# EAGLE board Mk4 Final Panel 8up 2x4 (EAGLE 9.0.1), part 8 of 23 (continued)
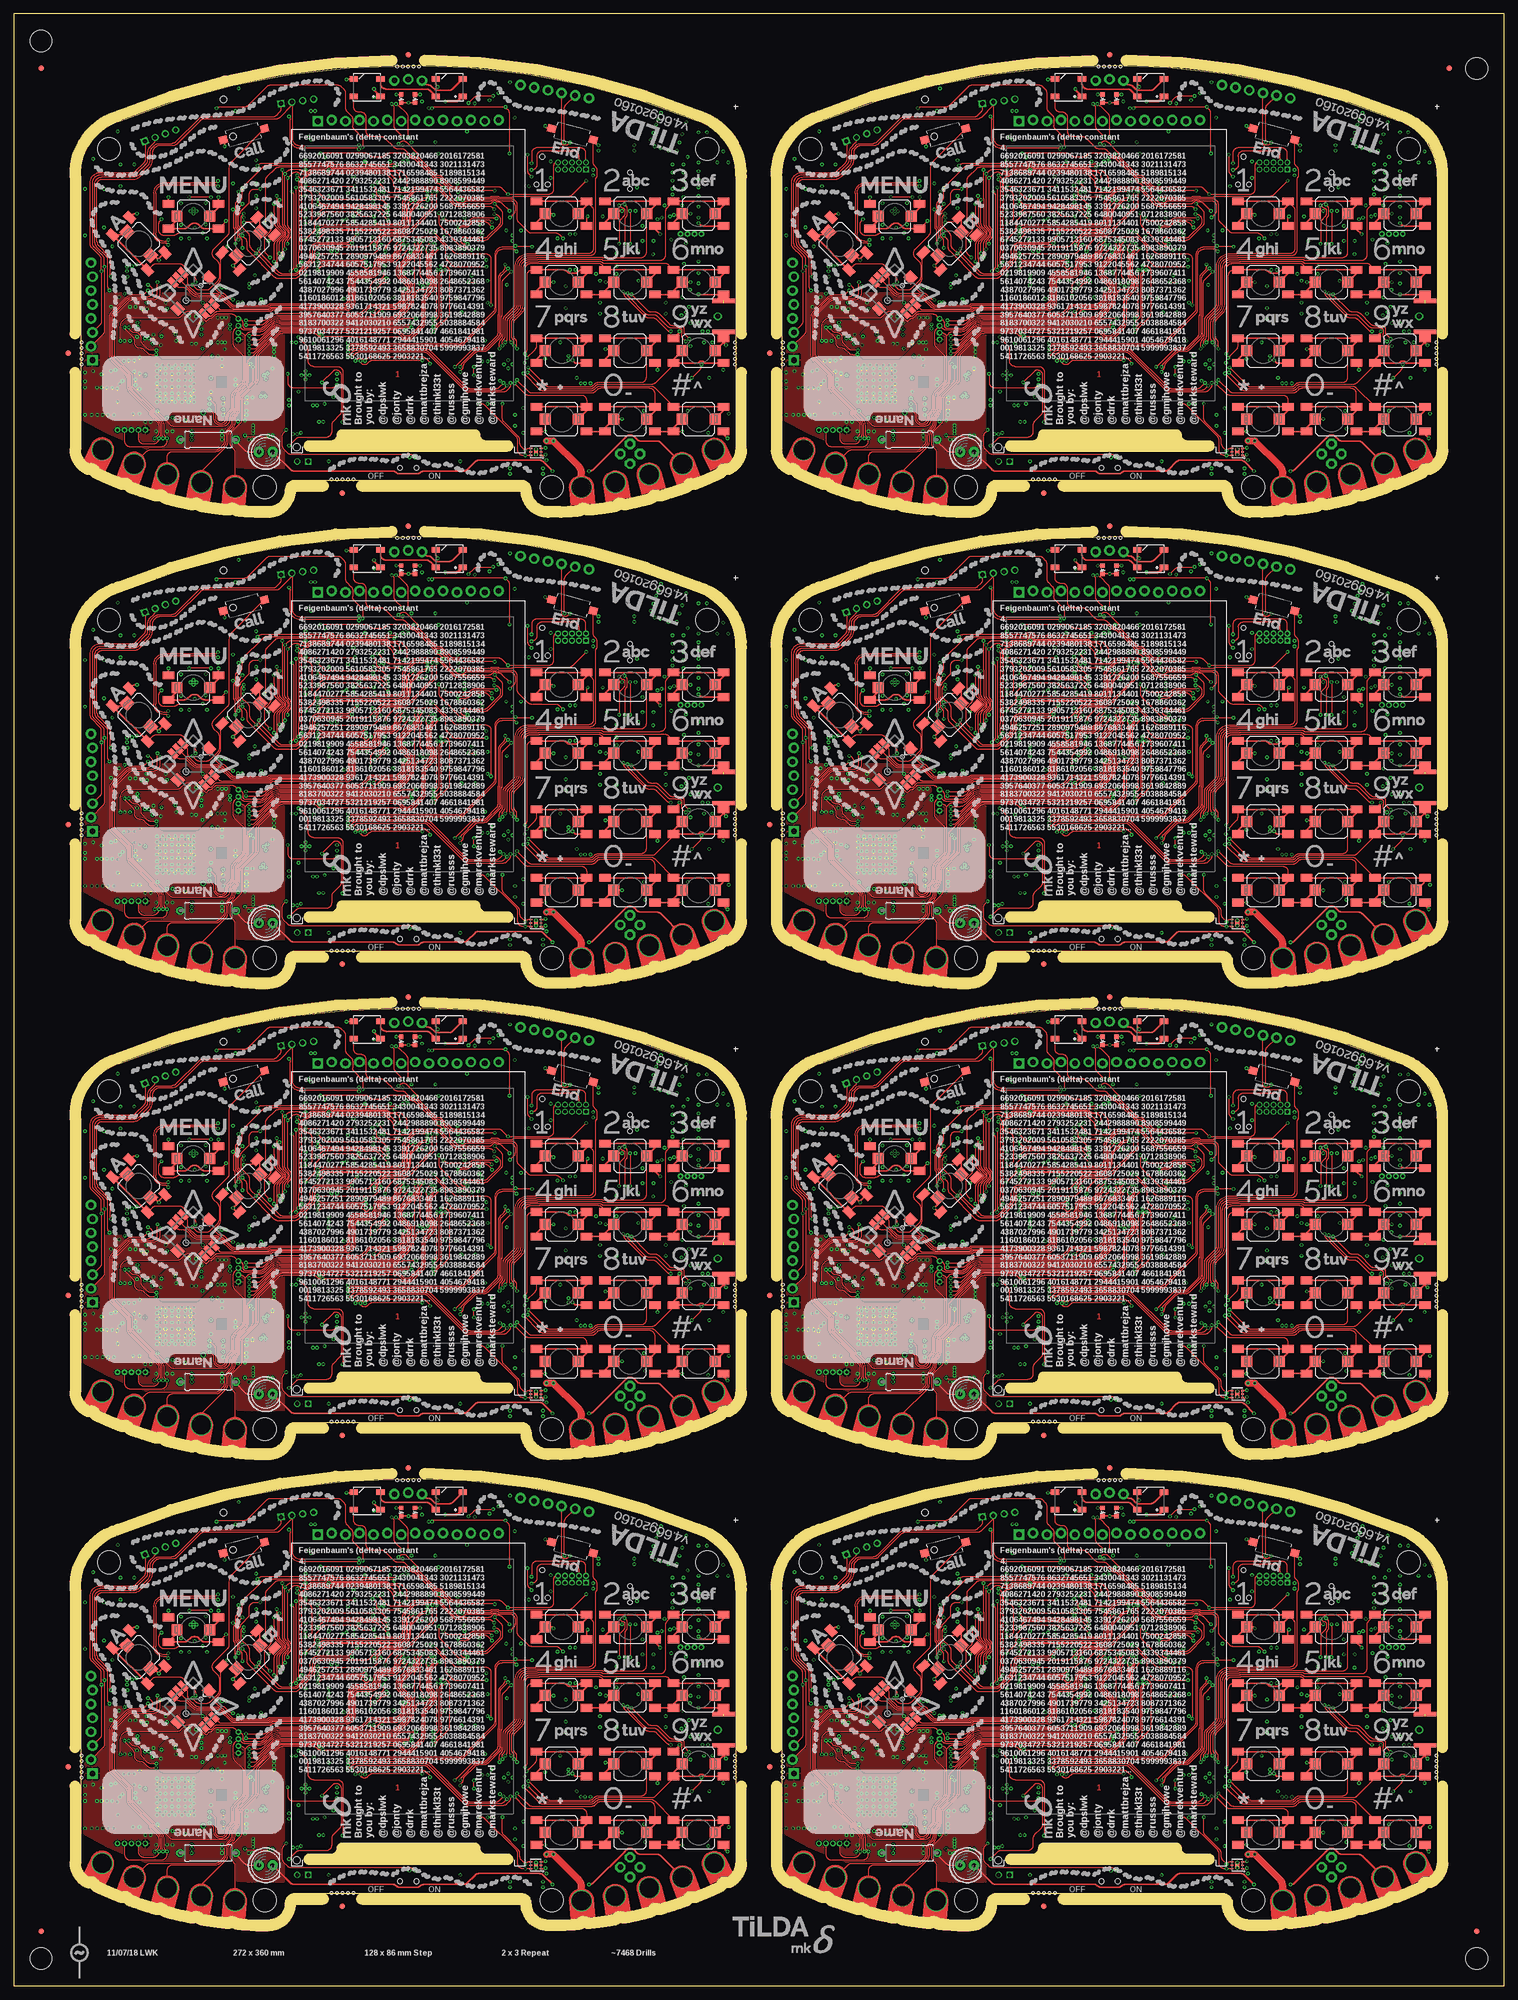
[diagram p0: board, top side]
## Tracks (layer width: path | path; a pad name or v marks a point on that pad's centre or on a via) (continued)
  Top 0.3: S117.2 257.26,201.26 arc45 257.55,201.96 S117.B2 S117.B1
  Bottom 0.15: IC103.12 220.65,208.75 v221.05,208.35
BTN_71  (via drill 0.3)
  Top 0.2: S107.B1 222.7,227.25 arc90 221.7,226.25 221.7,212.71 arc-45 221.41,212.01 v221.3,211.9
  Top 0.3: S107.2 232.55,226.55 S107.B2 231.76,227.25 arc45 231.06,226.96 230.9,226.8 arc-45 230.54,226.65 229.46,226.65 arc-45 229.1,226.8 228.94,226.96 arc45 228.24,227.25 S107.B1
  Bottom 0.15: IC103.7 220.65,211.25 v221.3,211.9
BTN_72  (via drill 0.3)
  Top 0.2: v221.63,211.17 223.16,212.7 arc45 223.45,213.4 S108.B1
  Top 0.3: S108.2 232.55,214.05 S108.B2 S108.B1
  Bottom 0.15: IC103.8 220.97,210.75 221.02,210.8 arc45 221.43,210.97 v221.63,211.17
BTN_73  (via drill 0.3)
  Top 0.2: S127.B2 105.61,324.69 arc-45 105.9,323.99 105.9,317.25 arc-90 104.9,316.25 95.31,316.25 95.23,316.18 93.8,316.18 arc90 91.55,313.93 91.55,307.09 arc-45 91.26,306.38 89.62,304.74 arc45 89.33,304.04 89.33,301.31 arc-45 89.03,300.61 88.94,300.52 arc45 88.65,299.81 v88.65,298.85
  Top 0.3: S127.2 104.55,325.05 S127.B2 S127.B1
  Bottom 0.15: IC121.1 89,298.42 arc45 88.94,298.56 v88.65,298.85
BTN_74  (via drill 0.3)
  Top 0.2: S131.2 115.5,316.5 arc-90 114.5,315.5 107.48,315.5 107.44,315.55 95.6,315.55 95.53,315.48 94,315.48 arc90 92.25,313.73 92.25,307.01 arc-45 91.81,305.95 90.39,304.53 arc45 90.1,303.82 90.1,300.81 arc-45 89.81,300.11 v89.7,300
  Top 0.3: S131.2 117.05,325.05 S131.B2 S131.B1
  Bottom 0.15: IC121.3 90,299.29 arc45 v89.71,299.99 v89.7,300
BTN_75  (via drill 0.3)
  Top 0.2: S135.B1 119.29,324.59 arc45 119,323.89 119,316 arc-90 118,315 107.57,315 arc-45 107.43,315.06 107.35,315.14 arc45 107.21,315.2 95.75,315.2 95.67,315.12 94.1,315.12 arc90 92.6,313.62 92.6,306.96 arc-45 92.09,305.73 90.79,304.43 arc45 90.5,303.73 90.5,300.71 arc45 v90.79,300.01 v90.8,300
  Top 0.3: S135.2 129.55,325.05 S135.B2 S135.B1
  Bottom 0.15: IC121.4 90.5,299.29 arc-45 v90.79,299.99 v90.8,300
BTN_76  (via drill 0.3)
  Top 0.2: S130.B2 104.55,289.4 arc90 103.55,290.4 93.91,290.4 arc-45 93.21,290.69 v91.4,292.5
  Top 0.3: S130.2 104.55,287.55 S130.B2 S130.B1
  Bottom 0.15: IC121.14 91,293.31 arc45 91.15,292.95 91.26,292.84 arc-45 v91.4,292.5
BTN_77  (via drill 0.3)
  Top 0.2: S132.B1 107.95,313.55 107.29,314.21 arc45 106.59,314.5 96.03,314.5 95.96,314.43 94.35,314.43 arc90 93.35,313.43 93.35,306.93 arc-45 92.69,305.34 91.59,304.24 arc45 91.3,303.54 91.3,301.19 arc45 91.59,300.48 arc-45 91.85,299.86 v91.85,298.85
  Top 0.3: S132.2 117.05,312.55 S132.B2 S132.B1
  Bottom 0.15: IC121.6 91.5,298.29 arc-45 91.65,298.65 v91.85,298.85
BTN_78  (via drill 0.3)
  Top 0.2: S133.2 115.5,293.7 arc-90 114.5,292.7 106.71,292.7 arc45 106.01,292.41 105.79,292.19 arc-45 105.09,291.9 97.81,291.9 arc-45 97.11,292.19 v93.9,295.4
  Top 0.3: S133.2 117.05,300.05 S133.B2 S133.B1
  Bottom 0.15: IC121.10 93.01,295.75 93.03,295.73 93.16,295.73 arc-45 93.87,295.43 v93.9,295.4
BTN_79  (via drill 0.3)
  Top 0.2: S134.B2 117.05,290.6 arc90 116.05,291.6 107.11,291.6 arc45 106.41,291.31 106.19,291.09 arc-45 105.49,290.8 94.61,290.8 arc-45 93.91,291.09 v91.85,293.15
  Top 0.3: S134.2 117.05,287.55 S134.B2 S134.B1 | S134.B1 107.75,288.25 107.5,288 107.7,288 S134.B1
  Bottom 0.15: IC121.13 91.5,293.5 v91.85,293.15
BTN_80  (via drill 0.3)
  Top 0.2: S136.B1 119.49,314.21 arc45 118.79,314.5 107.58,314.5 arc-45 107.44,314.56 arc45 106.73,314.85 95.89,314.85 95.81,314.77 94.25,314.77 arc90 93,313.52 93,306.97 arc-45 92.41,305.56 91.19,304.34 arc45 90.9,303.63 90.9,301.09 arc45 91.19,300.38 arc-45 91.35,300.01 91.35,299.77 91.3,299.72 v91.3,299.4
  Top 0.3: S136.2 129.55,312.55 S136.B2 S136.B1
  Bottom 0.15: IC121.5 91,298.69 arc-45 v91.29,299.39 v91.3,299.4
BTN_81  (via drill 0.3)
  Top 0.2: v93.8,294.5 96.46,291.84 arc45 97.16,291.55 105.23,291.55 arc45 105.94,291.84 106.1,292.01 arc-45 106.81,292.3 116.39,292.3 arc45 117.09,292.59 120.45,295.95 S137.B2
  Top 0.3: S137.2 120.45,296.95 S137.B2 124.9,296.25 125.25,296.6 125.75,296.6 126.1,296.25 S137.B1
  Bottom 0.15: IC121.11 92.64,295.25 arc-45 93.34,294.96 v93.8,294.5
BTN_82  (via drill 0.3)
  Top 0.2: S138.B1 117.04,291.66 arc45 116.34,291.95 106.95,291.95 arc45 106.25,291.66 106.08,291.49 arc-45 105.38,291.2 96.61,291.2 arc-45 95.91,291.49 v93.05,294.35
  Top 0.3: S138.2 129.26,287.26 arc45 129.55,287.96 S138.B2 S138.B1
  Bottom 0.15: IC121.12 92.65,294.75 v93.05,294.35
BTN_83  (via drill 0.3)
  Top 0.2: S128.B1 94.7,313.25 arc90 93.7,312.25 93.7,298.71 arc-45 93.41,298.01 v93.3,297.9
  Top 0.3: S128.2 104.55,312.55 S128.B2 103.76,313.25 arc45 103.06,312.96 102.89,312.8 arc-45 102.54,312.65 101.46,312.65 arc-45 101.11,312.8 100.94,312.96 arc45 100.24,313.25 S128.B1
  Bottom 0.15: IC121.7 92.65,297.25 v93.3,297.9
BTN_84  (via drill 0.3)
  Top 0.2: v93.63,297.17 95.16,298.7 arc45 95.45,299.4 S129.B1
  Top 0.3: S129.2 104.55,300.05 S129.B2 S129.B1
  Bottom 0.15: IC121.8 92.97,296.75 93.02,296.8 arc45 93.43,296.97 v93.63,297.17
BTN_85  (via drill 0.3)
  Top 0.2: S148.B2 233.61,324.69 arc-45 233.9,323.99 233.9,317.25 arc-90 232.9,316.25 223.31,316.25 223.24,316.18 221.8,316.18 arc90 219.55,313.93 219.55,307.09 arc-45 219.26,306.38 217.62,304.74 arc45 217.32,304.04 217.32,301.31 arc-45 217.03,300.61 216.94,300.52 arc45 216.65,299.81 v216.65,298.85
  Top 0.3: S148.2 232.55,325.05 S148.B2 S148.B1
  Bottom 0.15: IC139.1 217,298.42 arc45 216.94,298.56 v216.65,298.85
BTN_86  (via drill 0.3)
  Top 0.2: S152.2 243.5,316.5 arc-90 242.5,315.5 235.49,315.5 235.44,315.55 223.6,315.55 223.53,315.48 222,315.48 arc90 220.25,313.73 220.25,307.01 arc-45 219.81,305.95 218.39,304.53 arc45 218.1,303.82 218.1,300.81 arc-45 217.81,300.11 v217.7,300
  Top 0.3: S152.2 245.05,325.05 S152.B2 S152.B1
  Bottom 0.15: IC139.3 218,299.29 arc45 v217.71,299.99 v217.7,300
BTN_87  (via drill 0.3)
  Top 0.2: S156.B1 247.29,324.59 arc45 247,323.89 247,316 arc-90 246,315 235.57,315 arc-45 235.43,315.06 235.35,315.14 arc45 235.21,315.2 223.75,315.2 223.67,315.12 222.1,315.12 arc90 220.6,313.62 220.6,306.96 arc-45 220.09,305.73 218.79,304.43 arc45 218.5,303.73 218.5,300.71 arc45 v218.79,300.01 v218.8,300
  Top 0.3: S156.2 257.55,325.05 S156.B2 S156.B1
  Bottom 0.15: IC139.4 218.5,299.29 arc-45 v218.79,299.99 v218.8,300
BTN_88  (via drill 0.3)
  Top 0.2: S151.B2 232.55,289.4 arc90 231.55,290.4 221.91,290.4 arc-45 221.21,290.69 v219.4,292.5
  Top 0.3: S151.2 232.55,287.55 S151.B2 S151.B1
  Bottom 0.15: IC139.14 219,293.31 arc45 219.15,292.95 219.26,292.84 arc-45 v219.4,292.5
BTN_89  (via drill 0.3)
  Top 0.2: S153.B1 235.95,313.55 235.29,314.21 arc45 234.59,314.5 224.03,314.5 223.96,314.43 222.35,314.43 arc90 221.35,313.43 221.35,306.93 arc-45 220.69,305.34 219.59,304.24 arc45 219.3,303.54 219.3,301.19 arc45 219.59,300.48 arc-45 219.85,299.86 v219.85,298.85
  Top 0.3: S153.2 245.05,312.55 S153.B2 S153.B1
  Bottom 0.15: IC139.6 219.5,298.29 arc-45 219.65,298.65 v219.85,298.85
BTN_90  (via drill 0.3)
  Top 0.2: S154.2 243.5,293.7 arc-90 242.5,292.7 234.71,292.7 arc45 234.01,292.41 233.79,292.19 arc-45 233.09,291.9 225.81,291.9 arc-45 225.11,292.19 v221.9,295.4
  Top 0.3: S154.2 245.05,300.05 S154.B2 S154.B1
  Bottom 0.15: IC139.10 221.01,295.75 221.03,295.73 221.16,295.73 arc-45 221.87,295.43 v221.9,295.4
BTN_91  (via drill 0.3)
  Top 0.2: S155.B2 245.05,290.6 arc90 244.05,291.6 235.11,291.6 arc45 234.41,291.31 234.19,291.09 arc-45 233.49,290.8 222.61,290.8 arc-45 221.91,291.09 v219.85,293.15
  Top 0.3: S155.2 245.05,287.55 S155.B2 S155.B1 | S155.B1 235.75,288.25 235.5,288 235.7,288 S155.B1
  Bottom 0.15: IC139.13 219.5,293.5 v219.85,293.15
BTN_92  (via drill 0.3)
  Top 0.2: S157.B1 247.49,314.21 arc45 246.79,314.5 235.58,314.5 arc-45 235.44,314.56 arc45 234.73,314.85 223.89,314.85 223.81,314.77 222.25,314.77 arc90 221,313.52 221,306.97 arc-45 220.41,305.56 219.19,304.34 arc45 218.9,303.63 218.9,301.09 arc45 219.19,300.38 arc-45 219.35,300.01 219.35,299.77 219.3,299.72 v219.3,299.4
  Top 0.3: S157.2 257.55,312.55 S157.B2 S157.B1
  Bottom 0.15: IC139.5 219,298.69 arc-45 v219.29,299.39 v219.3,299.4
BTN_93  (via drill 0.3)
  Top 0.2: v221.8,294.5 224.46,291.84 arc45 225.16,291.55 233.23,291.55 arc45 233.94,291.84 234.1,292.01 arc-45 234.81,292.3 244.39,292.3 arc45 245.09,292.59 248.45,295.95 S158.B2
  Top 0.3: S158.2 248.45,296.95 S158.B2 252.9,296.25 253.25,296.6 253.75,296.6 254.1,296.25 S158.B1
  Bottom 0.15: IC139.11 220.64,295.25 arc-45 221.34,294.96 v221.8,294.5
BTN_94  (via drill 0.3)
  Top 0.2: S159.B1 245.04,291.66 arc45 244.34,291.95 234.95,291.95 arc45 234.25,291.66 234.08,291.49 arc-45 233.38,291.2 224.61,291.2 arc-45 223.91,291.49 v221.05,294.35
  Top 0.3: S159.2 257.26,287.26 arc45 257.55,287.96 S159.B2 S159.B1
  Bottom 0.15: IC139.12 220.65,294.75 v221.05,294.35
BTN_95  (via drill 0.3)
  Top 0.2: S149.B1 222.7,313.25 arc90 221.7,312.25 221.7,298.71 arc-45 221.41,298.01 v221.3,297.9
  Top 0.3: S149.2 232.55,312.55 S149.B2 231.76,313.25 arc45 231.06,312.96 230.9,312.8 arc-45 230.54,312.65 229.46,312.65 arc-45 229.1,312.8 228.94,312.96 arc45 228.24,313.25 S149.B1
  Bottom 0.15: IC139.7 220.65,297.25 v221.3,297.9
BTN_96  (via drill 0.3)
  Top 0.2: v221.63,297.17 223.16,298.7 arc45 223.45,299.4 S150.B1
  Top 0.3: S150.2 232.55,300.05 S150.B2 S150.B1
  Bottom 0.15: IC139.8 220.97,296.75 221.02,296.8 arc45 221.43,296.97 v221.63,297.17
BTN_A  (via drill 0.3)
  Top 0.15: v61,39.4 61.81,40.21 arc-45 62.51,40.5 74.98,40.5 arc-45 75.87,40.13 82.43,33.57 arc45 83.32,33.2 88.69,33.2 arc45 89.39,33.49 v90,34.1 | S13.B1 25.34,56.11 arc-45 26.05,56.4 30.19,56.4 arc-45 30.89,56.11 32.91,54.09 arc-45 33.2,53.39 v33.2,53
  Top 0.3: S13.2 20.18,61.63 S13.B2 S13.B1
  Bottom 0.15: IC4.16 v90,34.1 | v61,39.4 60.81,39.4 arc-45 60.11,39.69 57.99,41.81 arc45 57.11,42.17 56.19,42.17 arc-45 55.31,42.54 51.72,46.13 arc45 50.83,46.5 43.75,46.5 arc-45 43.61,46.56 43.4,46.77 arc45 43.26,46.83 42.72,46.83 arc-45 41.83,47.19 40.09,48.93 arc45 39.21,49.3 36.94,49.3 arc-45 36.23,49.59 35.29,50.53 arc45 34.41,50.9 34.2,50.9 arc-90 33.2,51.9 v33.2,53
BTN_A1  (via drill 0.3)
  Top 0.15: v189,39.4 189.81,40.21 arc-45 190.51,40.5 202.98,40.5 arc-45 203.87,40.13 210.43,33.57 arc45 211.32,33.2 216.69,33.2 arc45 217.39,33.49 v218,34.1 | S35.B1 153.34,56.11 arc-45 154.05,56.4 158.19,56.4 arc-45 158.89,56.11 160.91,54.09 arc-45 161.2,53.39 v161.2,53
  Top 0.3: S35.2 148.18,61.63 S35.B2 S35.B1
  Bottom 0.15: IC31.16 v218,34.1 | v189,39.4 188.81,39.4 arc-45 188.11,39.69 185.99,41.81 arc45 185.11,42.17 184.19,42.17 arc-45 183.31,42.54 179.72,46.13 arc45 178.83,46.5 171.75,46.5 arc-45 171.61,46.56 171.4,46.77 arc45 171.26,46.83 170.72,46.83 arc-45 169.83,47.19 168.09,48.93 arc45 167.21,49.3 164.94,49.3 arc-45 164.23,49.59 163.29,50.53 arc45 162.41,50.9 162.2,50.9 arc-90 161.2,51.9 v161.2,53
BTN_A2  (via drill 0.3)
  Top 0.15: v61,125.4 61.81,126.21 arc-45 62.51,126.5 74.98,126.5 arc-45 75.87,126.13 82.43,119.57 arc45 83.32,119.2 88.69,119.2 arc45 89.39,119.49 v90,120.1 | S56.B1 25.34,142.11 arc-45 26.05,142.4 30.19,142.4 arc-45 30.89,142.11 32.91,140.09 arc-45 33.2,139.39 v33.2,139
  Top 0.3: S56.2 20.18,147.63 S56.B2 S56.B1
  Bottom 0.15: IC49.16 v90,120.1 | v61,125.4 60.81,125.4 arc-45 60.11,125.69 57.99,127.81 arc45 57.11,128.18 56.19,128.18 arc-45 55.31,128.54 51.72,132.13 arc45 50.83,132.5 43.75,132.5 arc-45 43.61,132.56 43.4,132.77 arc45 43.26,132.82 42.72,132.82 arc-45 41.83,133.19 40.09,134.93 arc45 39.21,135.3 36.94,135.3 arc-45 36.23,135.59 35.29,136.53 arc45 34.41,136.9 34.2,136.9 arc-90 33.2,137.9 v33.2,139
BTN_A3  (via drill 0.3)
  Top 0.15: v189,125.4 189.81,126.21 arc-45 190.51,126.5 202.98,126.5 arc-45 203.87,126.13 210.43,119.57 arc45 211.32,119.2 216.69,119.2 arc45 217.39,119.49 v218,120.1 | S77.B1 153.34,142.11 arc-45 154.05,142.4 158.19,142.4 arc-45 158.89,142.11 160.91,140.09 arc-45 161.2,139.39 v161.2,139
  Top 0.3: S77.2 148.18,147.63 S77.B2 S77.B1
  Bottom 0.15: IC67.16 v218,120.1 | v189,125.4 188.81,125.4 arc-45 188.11,125.69 185.99,127.81 arc45 185.11,128.18 184.19,128.18 arc-45 183.31,128.54 179.72,132.13 arc45 178.83,132.5 171.75,132.5 arc-45 171.61,132.56 171.4,132.77 arc45 171.26,132.82 170.72,132.82 arc-45 169.83,133.19 168.09,134.93 arc45 167.21,135.3 164.94,135.3 arc-45 164.23,135.59 163.29,136.53 arc45 162.41,136.9 162.2,136.9 arc-90 161.2,137.9 v161.2,139
BTN_A4  (via drill 0.3)
  Top 0.15: v61,211.4 61.81,212.21 arc-45 62.51,212.5 74.98,212.5 arc-45 75.87,212.13 82.43,205.57 arc45 83.32,205.2 88.69,205.2 arc45 89.39,205.49 v90,206.1 | S98.B1 25.34,228.11 arc-45 26.05,228.4 30.19,228.4 arc-45 30.89,228.11 32.91,226.09 arc-45 33.2,225.39 v33.2,225
  Top 0.3: S98.2 20.18,233.63 S98.B2 S98.B1
  Bottom 0.15: IC85.16 v90,206.1 | v61,211.4 60.81,211.4 arc-45 60.11,211.69 57.99,213.81 arc45 57.11,214.18 56.19,214.18 arc-45 55.31,214.54 51.72,218.13 arc45 50.83,218.5 43.75,218.5 arc-45 43.61,218.56 43.4,218.77 arc45 43.26,218.82 42.72,218.82 arc-45 41.83,219.19 40.09,220.93 arc45 39.21,221.3 36.94,221.3 arc-45 36.23,221.59 35.29,222.53 arc45 34.41,222.9 34.2,222.9 arc-90 33.2,223.9 v33.2,225
BTN_A5  (via drill 0.3)
  Top 0.15: v189,211.4 189.81,212.21 arc-45 190.51,212.5 202.98,212.5 arc-45 203.87,212.13 210.43,205.57 arc45 211.32,205.2 216.69,205.2 arc45 217.39,205.49 v218,206.1 | S119.B1 153.34,228.11 arc-45 154.05,228.4 158.19,228.4 arc-45 158.89,228.11 160.91,226.09 arc-45 161.2,225.39 v161.2,225
  Top 0.3: S119.2 148.18,233.63 S119.B2 S119.B1
  Bottom 0.15: IC103.16 v218,206.1 | v189,211.4 188.81,211.4 arc-45 188.11,211.69 185.99,213.81 arc45 185.11,214.18 184.19,214.18 arc-45 183.31,214.54 179.72,218.13 arc45 178.83,218.5 171.75,218.5 arc-45 171.61,218.56 171.4,218.77 arc45 171.26,218.82 170.72,218.82 arc-45 169.83,219.19 168.09,220.93 arc45 167.21,221.3 164.94,221.3 arc-45 164.23,221.59 163.29,222.53 arc45 162.41,222.9 162.2,222.9 arc-90 161.2,223.9 v161.2,225
BTN_A6  (via drill 0.3)
  Top 0.15: v61,297.4 61.81,298.21 arc-45 62.51,298.5 74.98,298.5 arc-45 75.87,298.13 82.43,291.57 arc45 83.32,291.2 88.69,291.2 arc45 89.39,291.49 v90,292.1 | S140.B1 25.34,314.11 arc-45 26.05,314.4 30.19,314.4 arc-45 30.89,314.11 32.91,312.09 arc-45 33.2,311.39 v33.2,311
  Top 0.3: S140.2 20.18,319.63 S140.B2 S140.B1
  Bottom 0.15: IC121.16 v90,292.1 | v61,297.4 60.81,297.4 arc-45 60.11,297.69 57.99,299.81 arc45 57.11,300.18 56.19,300.18 arc-45 55.31,300.54 51.72,304.13 arc45 50.83,304.5 43.75,304.5 arc-45 43.61,304.56 43.4,304.77 arc45 43.26,304.82 42.72,304.82 arc-45 41.83,305.19 40.09,306.93 arc45 39.21,307.3 36.94,307.3 arc-45 36.23,307.59 35.29,308.53 arc45 34.41,308.9 34.2,308.9 arc-90 33.2,309.9 v33.2,311
BTN_A7  (via drill 0.3)
  Top 0.15: v189,297.4 189.81,298.21 arc-45 190.51,298.5 202.98,298.5 arc-45 203.87,298.13 210.43,291.57 arc45 211.32,291.2 216.69,291.2 arc45 217.39,291.49 v218,292.1 | S161.B1 153.34,314.11 arc-45 154.05,314.4 158.19,314.4 arc-45 158.89,314.11 160.91,312.09 arc-45 161.2,311.39 v161.2,311
  Top 0.3: S161.2 148.18,319.63 S161.B2 S161.B1
  Bottom 0.15: IC139.16 v218,292.1 | v189,297.4 188.81,297.4 arc-45 188.11,297.69 185.99,299.81 arc45 185.11,300.18 184.19,300.18 arc-45 183.31,300.54 179.72,304.13 arc45 178.83,304.5 171.75,304.5 arc-45 171.61,304.56 171.4,304.77 arc45 171.26,304.82 170.72,304.82 arc-45 169.83,305.19 168.09,306.93 arc45 167.21,307.3 164.94,307.3 arc-45 164.23,307.59 163.29,308.53 arc45 162.41,308.9 162.2,308.9 arc-90 161.2,309.9 v161.2,311
BTN_B  (via drill 0.3)
  Top 0.15: v89.4,34.6 88.59,33.79 arc-45 87.89,33.5 83.41,33.5 arc-45 82.71,33.79 76.09,40.41 arc45 75.03,40.85 62.06,40.85 arc45 61.36,40.56 v61,40.2 | S15.B2 43.52,63.9 v42,63.9 | v39,59.5 arc-45 38.92,59.3 S15.B1 37.8,58.18 37.8,53.82 arc-45 37.43,52.93 36.86,52.36 arc90 36.86,51.65 37.41,51.1 arc45 37.77,50.95 38.14,50.95 arc-45 38.5,50.8 39.21,50.09 arc45 39.91,49.8 v40,49.8
  Top 0.3: S15.2 44.92,64.31 S15.B2
  Bottom 0.15: IC4.17 89.5,34.7 v89.4,34.6 | v61,40.2 60.44,40.2 arc-45 59.73,40.49 58.19,42.04 arc45 57.13,42.48 56.22,42.48 arc-45 55.51,42.77 51.91,46.36 arc45 50.85,46.8 43.87,46.8 arc-45 43.73,46.86 43.52,47.07 arc45 43.38,47.12 42.79,47.12 arc-45 42.08,47.42 40.15,49.35 arc-45 40,49.71 v40,49.8 | v42,63.9 39.29,61.19 arc45 39,60.49 v39,59.5
BTN_B1  (via drill 0.3)
  Top 0.15: v217.4,34.6 216.59,33.79 arc-45 215.89,33.5 211.41,33.5 arc-45 210.71,33.79 204.09,40.41 arc45 203.03,40.85 190.06,40.85 arc45 189.36,40.56 v189,40.2 | S34.B2 171.52,63.9 v170,63.9 | v167,59.5 arc-45 166.92,59.3 S34.B1 165.8,58.18 165.8,53.82 arc-45 165.43,52.93 164.86,52.36 arc90 164.86,51.65 165.41,51.1 arc45 165.76,50.95 166.14,50.95 arc-45 166.5,50.8 167.21,50.09 arc45 167.91,49.8 v168,49.8
  Top 0.3: S34.2 172.92,64.31 S34.B2
  Bottom 0.15: IC31.17 217.5,34.7 v217.4,34.6 | v189,40.2 188.44,40.2 arc-45 187.73,40.49 186.19,42.04 arc45 185.13,42.48 184.22,42.48 arc-45 183.51,42.77 179.92,46.36 arc45 178.85,46.8 171.87,46.8 arc-45 171.73,46.86 171.53,47.07 arc45 171.38,47.12 170.79,47.12 arc-45 170.08,47.42 168.15,49.35 arc-45 168,49.71 v168,49.8 | v170,63.9 167.29,61.19 arc45 167,60.49 v167,59.5
BTN_B2  (via drill 0.3)
  Top 0.15: v89.4,120.6 88.59,119.79 arc-45 87.89,119.5 83.41,119.5 arc-45 82.71,119.79 76.09,126.41 arc45 75.03,126.85 62.06,126.85 arc45 61.36,126.56 v61,126.2 | S55.B2 43.52,149.9 v42,149.9 | v39,145.5 arc-45 38.92,145.3 S55.B1 37.8,144.18 37.8,139.82 arc-45 37.43,138.93 36.86,138.36 arc90 36.86,137.65 37.41,137.1 arc45 37.77,136.95 38.14,136.95 arc-45 38.5,136.8 39.21,136.09 arc45 39.91,135.8 v40,135.8
  Top 0.3: S55.2 44.92,150.31 S55.B2
  Bottom 0.15: IC49.17 89.5,120.7 v89.4,120.6 | v61,126.2 60.44,126.2 arc-45 59.73,126.49 58.19,128.04 arc45 57.13,128.47 56.22,128.47 arc-45 55.51,128.77 51.91,132.36 arc45 50.85,132.8 43.87,132.8 arc-45 43.73,132.86 43.52,133.07 arc45 43.38,133.12 42.79,133.12 arc-45 42.08,133.42 40.15,135.35 arc-45 40,135.71 v40,135.8 | v42,149.9 39.29,147.19 arc45 39,146.49 v39,145.5
BTN_B3  (via drill 0.3)
  Top 0.15: v217.4,120.6 216.59,119.79 arc-45 215.89,119.5 211.41,119.5 arc-45 210.71,119.79 204.09,126.41 arc45 203.03,126.85 190.06,126.85 arc45 189.36,126.56 v189,126.2 | S76.B2 171.52,149.9 v170,149.9 | v167,145.5 arc-45 166.92,145.3 S76.B1 165.8,144.18 165.8,139.82 arc-45 165.43,138.93 164.86,138.36 arc90 164.86,137.65 165.41,137.1 arc45 165.76,136.95 166.14,136.95 arc-45 166.5,136.8 167.21,136.09 arc45 167.91,135.8 v168,135.8
  Top 0.3: S76.2 172.92,150.31 S76.B2
  Bottom 0.15: IC67.17 217.5,120.7 v217.4,120.6 | v189,126.2 188.44,126.2 arc-45 187.73,126.49 186.19,128.04 arc45 185.13,128.47 184.22,128.47 arc-45 183.51,128.77 179.92,132.36 arc45 178.85,132.8 171.87,132.8 arc-45 171.73,132.86 171.53,133.07 arc45 171.38,133.12 170.79,133.12 arc-45 170.08,133.42 168.15,135.35 arc-45 168,135.71 v168,135.8 | v170,149.9 167.29,147.19 arc45 167,146.49 v167,145.5
BTN_B4  (via drill 0.3)
  Top 0.15: v89.4,206.6 88.59,205.79 arc-45 87.89,205.5 83.41,205.5 arc-45 82.71,205.79 76.09,212.41 arc45 75.03,212.85 62.06,212.85 arc45 61.36,212.56 v61,212.2 | S97.B2 43.52,235.9 v42,235.9 | v39,231.5 arc-45 38.92,231.3 S97.B1 37.8,230.18 37.8,225.82 arc-45 37.43,224.93 36.86,224.36 arc90 36.86,223.65 37.41,223.1 arc45 37.77,222.95 38.14,222.95 arc-45 38.5,222.8 39.21,222.09 arc45 39.91,221.8 v40,221.8
  Top 0.3: S97.2 44.92,236.31 S97.B2
  Bottom 0.15: IC85.17 89.5,206.7 v89.4,206.6 | v61,212.2 60.44,212.2 arc-45 59.73,212.49 58.19,214.04 arc45 57.13,214.47 56.22,214.47 arc-45 55.51,214.77 51.91,218.36 arc45 50.85,218.8 43.87,218.8 arc-45 43.73,218.86 43.52,219.07 arc45 43.38,219.12 42.79,219.12 arc-45 42.08,219.42 40.15,221.35 arc-45 40,221.71 v40,221.8 | v42,235.9 39.29,233.19 arc45 39,232.49 v39,231.5
BTN_B5  (via drill 0.3)
  Top 0.15: v217.4,206.6 216.59,205.79 arc-45 215.89,205.5 211.41,205.5 arc-45 210.71,205.79 204.09,212.41 arc45 203.03,212.85 190.06,212.85 arc45 189.36,212.56 v189,212.2 | S118.B2 171.52,235.9 v170,235.9 | v167,231.5 arc-45 166.92,231.3 S118.B1 165.8,230.18 165.8,225.82 arc-45 165.43,224.93 164.86,224.36 arc90 164.86,223.65 165.41,223.1 arc45 165.76,222.95 166.14,222.95 arc-45 166.5,222.8 167.21,222.09 arc45 167.91,221.8 v168,221.8
  Top 0.3: S118.2 172.92,236.31 S118.B2
  Bottom 0.15: IC103.17 217.5,206.7 v217.4,206.6 | v189,212.2 188.44,212.2 arc-45 187.73,212.49 186.19,214.04 arc45 185.13,214.47 184.22,214.47 arc-45 183.51,214.77 179.92,218.36 arc45 178.85,218.8 171.87,218.8 arc-45 171.73,218.86 171.53,219.07 arc45 171.38,219.12 170.79,219.12 arc-45 170.08,219.42 168.15,221.35 arc-45 168,221.71 v168,221.8 | v170,235.9 167.29,233.19 arc45 167,232.49 v167,231.5
BTN_B6  (via drill 0.3)
  Top 0.15: v89.4,292.6 88.59,291.79 arc-45 87.89,291.5 83.41,291.5 arc-45 82.71,291.79 76.09,298.41 arc45 75.03,298.85 62.06,298.85 arc45 61.36,298.56 v61,298.2 | S139.B2 43.52,321.9 v42,321.9 | v39,317.5 arc-45 38.92,317.3 S139.B1 37.8,316.18 37.8,311.82 arc-45 37.43,310.93 36.86,310.36 arc90 36.86,309.65 37.41,309.1 arc45 37.77,308.95 38.14,308.95 arc-45 38.5,308.8 39.21,308.09 arc45 39.91,307.8 v40,307.8
  Top 0.3: S139.2 44.92,322.31 S139.B2
  Bottom 0.15: IC121.17 89.5,292.7 v89.4,292.6 | v61,298.2 60.44,298.2 arc-45 59.73,298.49 58.19,300.04 arc45 57.13,300.48 56.22,300.48 arc-45 55.51,300.77 51.91,304.36 arc45 50.85,304.8 43.87,304.8 arc-45 43.73,304.86 43.52,305.07 arc45 43.38,305.12 42.79,305.12 arc-45 42.08,305.42 40.15,307.35 arc-45 40,307.71 v40,307.8 | v42,321.9 39.29,319.19 arc45 39,318.49 v39,317.5
BTN_B7  (via drill 0.3)
  Top 0.15: v217.4,292.6 216.59,291.79 arc-45 215.89,291.5 211.41,291.5 arc-45 210.71,291.79 204.09,298.41 arc45 203.03,298.85 190.06,298.85 arc45 189.36,298.56 v189,298.2 | S160.B2 171.52,321.9 v170,321.9 | v167,317.5 arc-45 166.92,317.3 S160.B1 165.8,316.18 165.8,311.82 arc-45 165.43,310.93 164.86,310.36 arc90 164.86,309.65 165.41,309.1 arc45 165.76,308.95 166.14,308.95 arc-45 166.5,308.8 167.21,308.09 arc45 167.91,307.8 v168,307.8
  Top 0.3: S160.2 172.92,322.31 S160.B2
  Bottom 0.15: IC139.17 217.5,292.7 v217.4,292.6 | v189,298.2 188.44,298.2 arc-45 187.73,298.49 186.19,300.04 arc45 185.13,300.48 184.22,300.48 arc-45 183.51,300.77 179.92,304.36 arc45 178.85,304.8 171.87,304.8 arc-45 171.73,304.86 171.53,305.07 arc45 171.38,305.12 170.79,305.12 arc-45 170.08,305.42 168.15,307.35 arc-45 168,307.71 v168,307.8 | v170,321.9 167.29,319.19 arc45 167,318.49 v167,317.5
BTN_CALL  (via drill 0.3)
  Top 0.15: v90.65,34.6 90.65,34.26 arc-45 90.36,33.56 89.99,33.19 arc-45 89.29,32.9 83.22,32.9 arc-45 82.16,33.34 75.59,39.91 arc45 74.89,40.2 63.01,40.2 arc45 62.31,39.91 v61.8,39.4 | S16.2 39.86,75.1 arc45 39.27,73.69 39.27,62.19 arc-45 38.98,61.48 36.46,58.96 arc90 36.46,57.54 37.21,56.79 arc-45 37.5,56.09 37.5,53.91 arc-45 37.21,53.21 35.79,51.79 arc-45 35.08,51.49 34.02,51.49 arc-45 33.31,51.79 v32.6,52.5
  Bottom 0.15: IC4.15 90.5,34.75 v90.65,34.6 | v61.8,39.4 61.38,38.98 arc-90 60.32,38.98 57.72,41.58 arc45 57.01,41.88 56.17,41.88 arc-45 55.11,42.31 51.52,45.91 arc45 50.81,46.2 43.62,46.2 arc-45 43.48,46.26 43.28,46.47 arc45 43.14,46.52 42.7,46.52 arc-45 41.64,46.96 39.89,48.71 arc45 39.19,49 36.92,49 arc-45 36.03,49.37 35.09,50.31 arc45 34.39,50.6 33.85,50.6 arc-90 32.6,51.85 v32.6,52.5
BTN_CALL1  (via drill 0.3)
  Top 0.15: v218.65,34.6 218.65,34.26 arc-45 218.36,33.56 217.99,33.19 arc-45 217.29,32.9 211.22,32.9 arc-45 210.16,33.34 203.59,39.91 arc45 202.89,40.2 191.01,40.2 arc45 190.31,39.91 v189.8,39.4 | S37.2 167.86,75.1 arc45 167.28,73.69 167.28,62.19 arc-45 166.98,61.48 164.46,58.96 arc90 164.46,57.54 165.21,56.79 arc-45 165.5,56.09 165.5,53.91 arc-45 165.21,53.21 163.79,51.79 arc-45 163.08,51.49 162.02,51.49 arc-45 161.31,51.79 v160.6,52.5
  Bottom 0.15: IC31.15 218.5,34.75 v218.65,34.6 | v189.8,39.4 189.38,38.98 arc-90 188.32,38.98 185.72,41.58 arc45 185.01,41.88 184.17,41.88 arc-45 183.11,42.31 179.52,45.91 arc45 178.81,46.2 171.62,46.2 arc-45 171.48,46.26 171.28,46.47 arc45 171.13,46.52 170.7,46.52 arc-45 169.64,46.96 167.89,48.71 arc45 167.19,49 164.92,49 arc-45 164.03,49.37 163.09,50.31 arc45 162.39,50.6 161.85,50.6 arc-90 160.6,51.85 v160.6,52.5
BTN_CALL2  (via drill 0.3)
  Top 0.15: v90.65,120.6 90.65,120.26 arc-45 90.36,119.56 89.99,119.19 arc-45 89.29,118.9 83.22,118.9 arc-45 82.16,119.34 75.59,125.91 arc45 74.89,126.2 63.01,126.2 arc45 62.31,125.91 v61.8,125.4 | S58.2 39.86,161.1 arc45 39.27,159.69 39.27,148.19 arc-45 38.98,147.48 36.46,144.96 arc90 36.46,143.54 37.21,142.79 arc-45 37.5,142.09 37.5,139.91 arc-45 37.21,139.21 35.79,137.79 arc-45 35.08,137.49 34.02,137.49 arc-45 33.31,137.79 v32.6,138.5
  Bottom 0.15: IC49.15 90.5,120.75 v90.65,120.6 | v61.8,125.4 61.38,124.98 arc-90 60.32,124.98 57.72,127.58 arc45 57.01,127.88 56.17,127.88 arc-45 55.11,128.31 51.52,131.91 arc45 50.81,132.2 43.62,132.2 arc-45 43.48,132.26 43.28,132.47 arc45 43.14,132.53 42.7,132.53 arc-45 41.64,132.96 39.89,134.71 arc45 39.19,135 36.92,135 arc-45 36.03,135.37 35.09,136.31 arc45 34.39,136.6 33.85,136.6 arc-90 32.6,137.85 v32.6,138.5
BTN_CALL3  (via drill 0.3)